# Altium PCB PCB_15122020_01BC.PcbDoc (part 3 of 9) (continued)
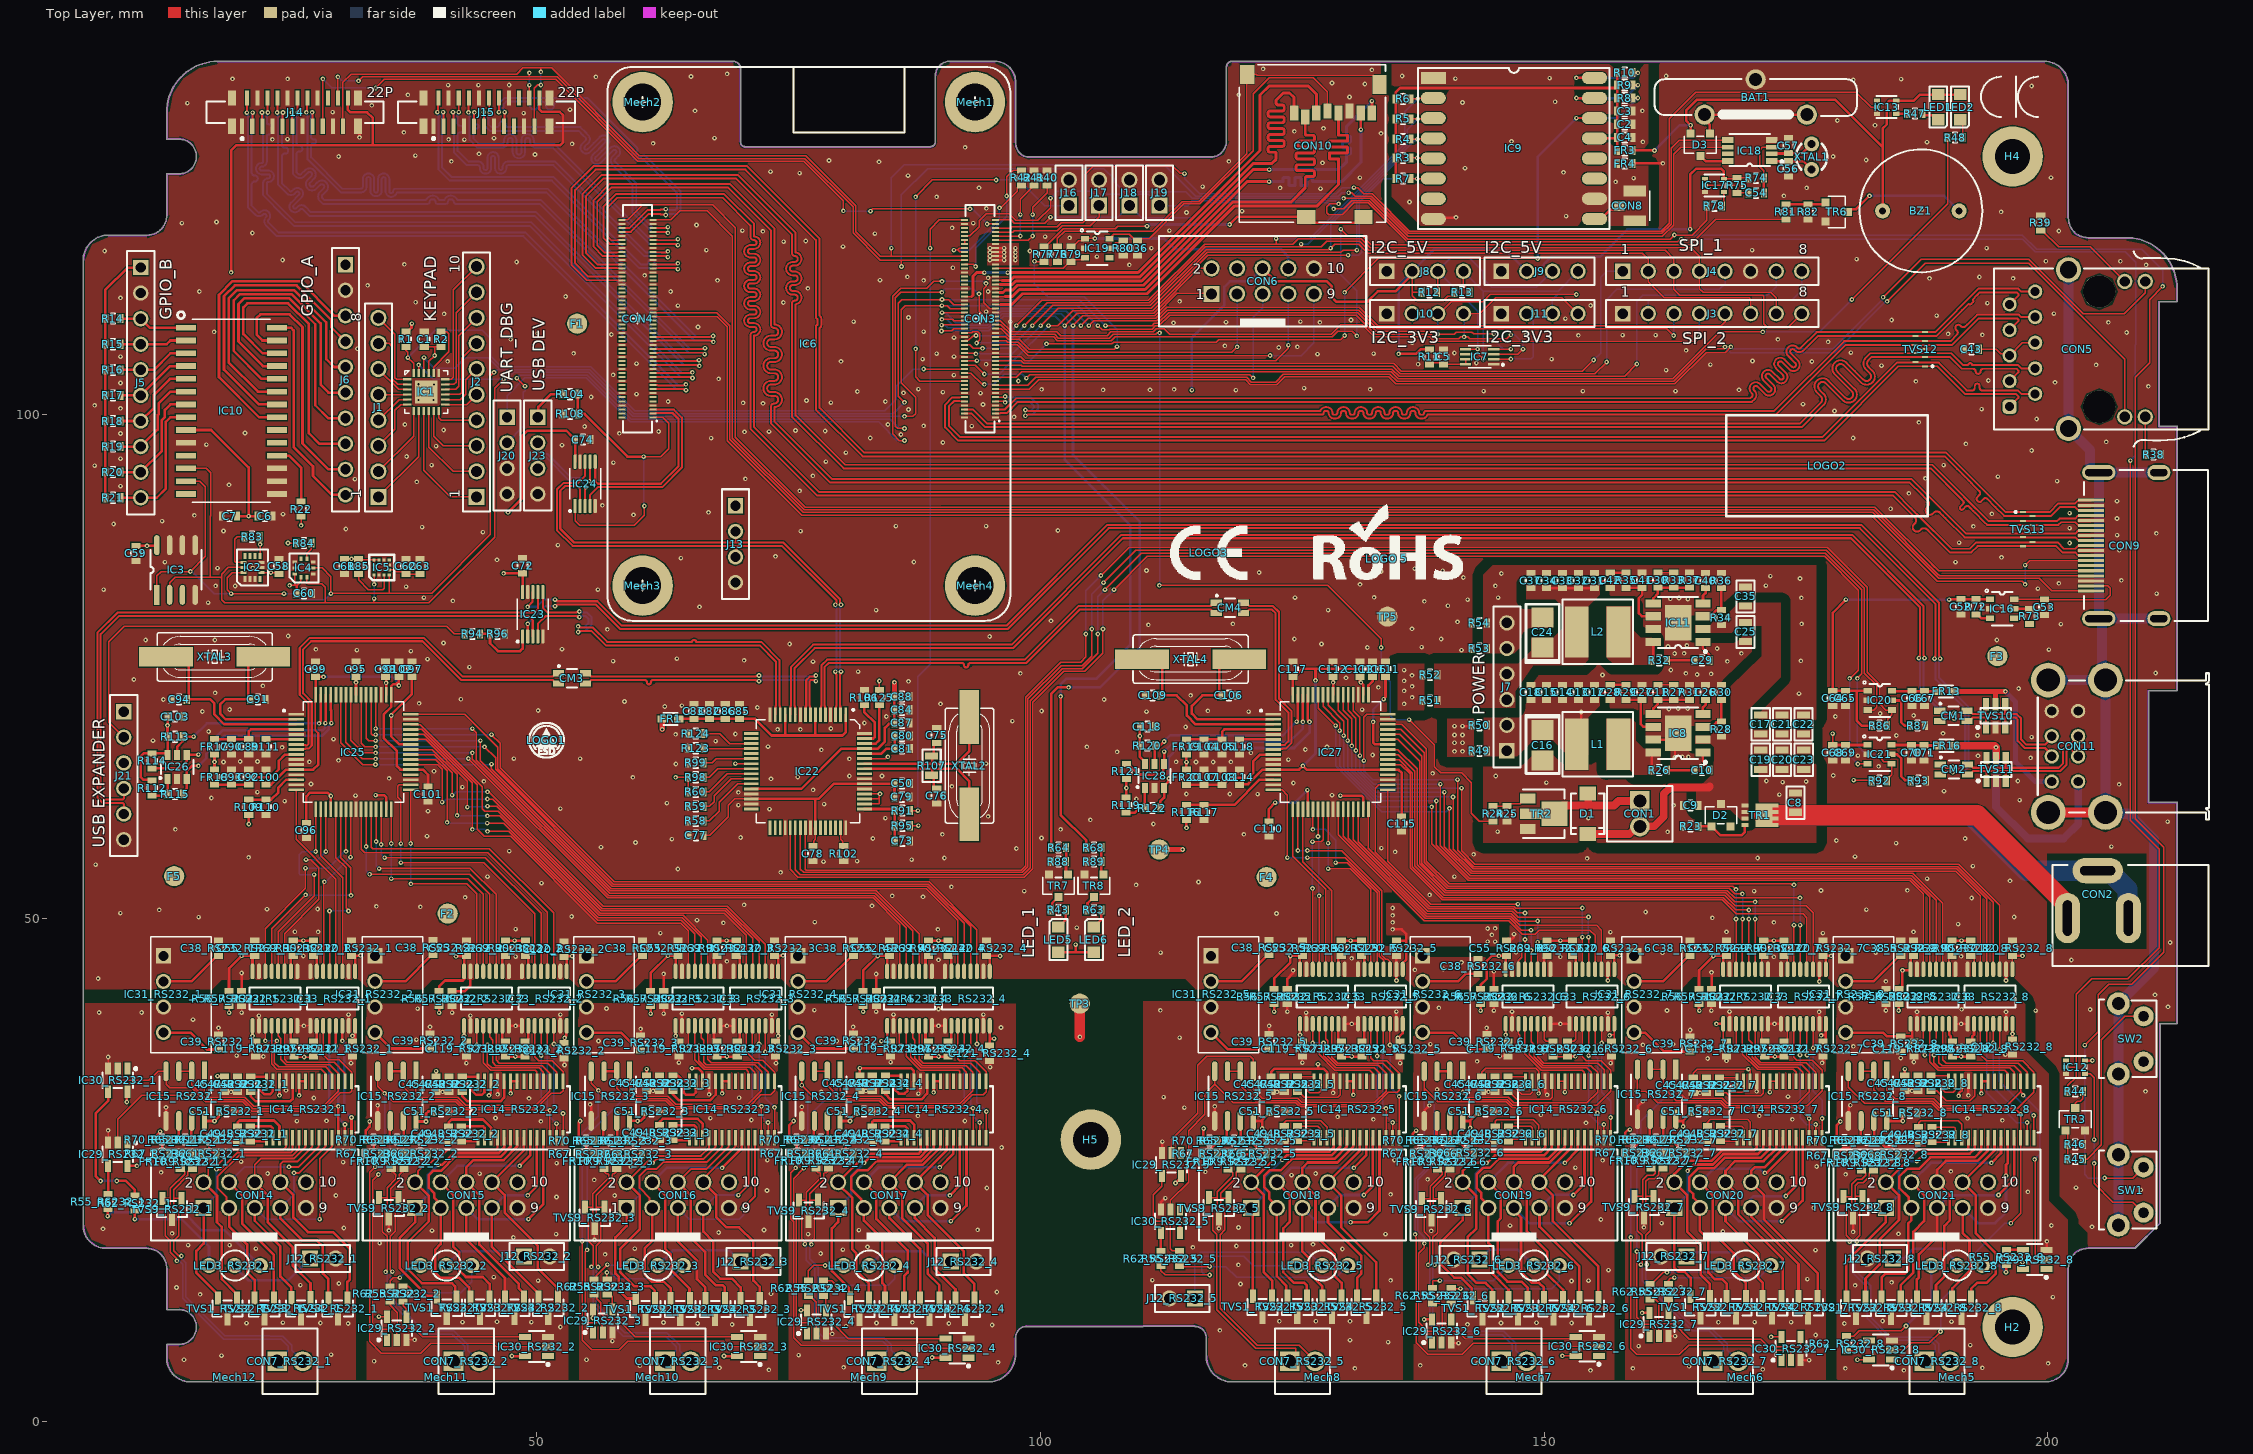
[diagram p0: Top Layer view]
## Nets (pads, with @x,y where several pads share a name; then routed paths per layer and width w, separated by ;. In a path a pad name is that pad's centre, name@x,y a point inside that pad or via, vN(x,y) a via of type N, cw(c..) or ccw(c..) an arc to the next point about the centre after c; other vN are vias at no path point) (continued)
  Top Layer w0.254: R21.2@7.175,91.72 R20.2@7.175,94.26 R19.2@7.175,96.8 R18.2@7.175,99.34 R17.2@7.175,101.88 R16.2@7.175,104.42 R15.2@7.175,106.96 R14.2@7.175,109.5 7.175,112.375 9.35,114.55 J5.1@10.625,114.55 ; C59.1@10.2,86.95 v1(11.3,86.95) 12.211,86.95 IC3.8@12.276,87.015 ; R112.2@11.8,63.65 11.744,63.706 10.969,63.706 10.7,63.975 10.7,66.075 10.969,66.344 11.794,66.344 R114.2@11.8,66.35 13.2,66.35 IC26.6@13.35,66.2 13.35,67.7 13.337,67.713 v1(13.337,69.126) 13.343,69.133 13.343,69.993 C103.2@13.35,70 ; IC10.9@15.16,98.445 17.677,98.445 21.396,94.726 v1(21.396,89.9) ; FR18.1@18,64.75 FR18.1@18,64.75 v1(18.001,65.51) FR17.1@18,66.25 FR17.1@18,66.25 ; R56_RS232_1.1@19.445,42.75 19.445,44.995 v1(20.7,46.25) C55_RS232_1.2@21.95,46.25 ; v1(19.653,114.1) 19.653,126.2 20.153,126.7 33.7,126.7 ; C7.1@20.25,89.9 v1(21.396,89.9) ; R109.1@21.4,60.25 21.419,60.231 v1(21.419,59.332) ; IC32_RS232_1.16@21.778,44.7 21.778,46.077 C55_RS232_1.2@21.95,46.25 ; C55_RS232_1.2@22,46.25 C55_RS232_1.2@21.95,46.25 ; C6.1@22.25,89.9 v1(21.396,89.9) ; R69_RS232_1.1@25.824,47.75 v1(26.817,47.75) R90_RS232_1.1@27.811,47.75 ; C60.1@26.156,82.225 26.156,82.989 ; C96.1@27.123,59.45 27.123,62.074 27.499,62.45 29.211,62.45 v1(29.55,62.111) IC25.20@29.55,60.8 ; J14.22@31.25,131.4 31.25,130.236 31.5,129.986 33.164,129.986 33.7,129.45 33.7,126.7 ; IC33_RS232_1.1@31.962,44.7 31.962,46.043 31.755,46.25 31.78,46.275 32.475,46.275 v1(32.5,46.3) ; IC25.56@32.037,72.16 32.05,72.173 v1@32.05,73.3 ; v1(32.05,73.4) C95.1@32.05,73.95 ; v1(34,62.2) 34.85,62.2 35.05,62 IC25.31@35.05,60.8 ; C98.1@35,73.95 35.05,73.9 v1@35.05,73.4 ; IC25.50@35.05,72.16 v1(35.05,73.343) ; R1.2@37,108.2 37.15,108.2 37.563,108.613 37.563,108.972 v1(37.602,109.011) ; IC25.42@37.48,67.23 36.36,67.23 35.55,68.04 v1(35.55,70.1) 35.55,70.205 37.6,72.255 C97.1@37.6,73.95 ; R56_RS232_2.1@40.3,42.75 40.3,43.2 40.9,43.8 42.629,43.8 42.777,43.949 IC32_RS232_2.16@42.777,44.7 42.777,46.077 C55_RS232_2.2@42.925,46.225 ; v1(41.973,46.2) 41.998,46.225 C55_RS232_2.2@42.925,46.225 ; C55_RS232_2.2@42.95,46.25 C55_RS232_2.2@42.925,46.225 ; v1(46.7,84.225) C72.1@48.6,84.225 IC23.10@48.6,82.35 ; R69_RS232_2.1@46.9,47.75 v1(47.8,47.75) R90_RS232_2.1@48.889,47.75 ; v1(47.136,90.269) 48.518,91.65 48.518,97.84 49.07,98.393 52.92,98.393 53.49,97.823 53.64,97.823 53.813,97.65 C74.1@53.813,97.5 53.806,97.494 53.806,95.306 IC24.10@53.8,95.3 ; J15.22@50.25,131.4 50.256,131.394 50.256,130.269 50.5,130.025 52.275,130.025 52.6,129.7 52.6,127 52.3,126.7 33.7,126.7 ; C120_RS232_2.2@52.7,46.15 52.737,46.187 53.462,46.187 v1(53.5,46.225) ; C120_RS232_2.2@52.726,46.15 52.79,46.15 52.963,45.977 IC33_RS232_2.1@52.963,44.7 ; R56_RS232_3.1@61.3,42.75 61.3,44.55 v1(63,46.25) 63.95,46.25 63.778,46.077 IC32_RS232_3.16@63.778,44.7 ; R69_RS232_3.1@67.9,47.75 v1(68.85,47.75) R90_RS232_3.1@69.8,47.75 ; IC22.28@71.299,62.821 76.249,62.821 80.249,66.821 IC22.61@82.526,66.821 83.85,66.821 84.55,67.521 84.55,68.875 84.95,69.275 85.412,69.275 C87.1@85.5,69.363 C84.1@85.5,70.675 C88.1@85.5,71.975 ; IC33_RS232_3.1@73.962,44.7 73.962,46.038 73.75,46.25 73.775,46.275 74.414,46.275 v1(74.439,46.3) ; R56_RS232_4.1@82.4,42.75 82.4,44.78 v1(83.845,46.225) 83.857,46.237 C55_RS232_4.2@84.938,46.237 ; IC22.59@82.513,65.834 IC22.59@82.526,65.821 ; IC32_RS232_4.16@84.778,44.7 84.778,46.077 C55_RS232_4.2@84.938,46.237 ; C55_RS232_4.2@85,46.25 84.988,46.237 C55_RS232_4.2@84.938,46.237 ; R69_RS232_4.1@88.9,47.75 v1(89.87,47.75) R90_RS232_4.1@90.8,47.75 ; C120_RS232_4.2@94.625,46.25 94.637,46.237 C120_RS232_4.2@94.787,46.237 ; IC33_RS232_4.1@94.962,44.7 94.948,44.715 94.948,46.077 C120_RS232_4.2@94.787,46.237 ; v1(96,46.225) 95.988,46.237 C120_RS232_4.2@94.787,46.237 ; LED5.1@101.783,46.6 103.541,46.6 ; v1(103.5,47.348) 103.5,46.641 103.541,46.6 ; LED6.1@105.223,46.523 LED6.1@105.3,46.6 103.541,46.6 ; R119.2@108.51,61.97 108.53,61.99 v1(108.53,62.91) 108.53,63.79 R121.2@108.52,63.8 ; C118.2@109.86,68.997 109.865,68.992 109.865,68.075 109.86,68.07 109.86,67.12 R120.2@109.85,67.11 109.85,66.02 110.37,65.5 IC28.6@110.37,65.3 ; R116.1@114.48,59.742 114.49,59.732 v1(114.49,58.95) ; FR20.1@114.48,64.733 114.49,64.743 v1(114.49,65.48) 114.49,66.221 FR19.1@114.48,66.231 ; C110.1@122.67,59.6 122.67,60.82 v1(123.3,61.45) ; R56_RS232_5.1@123.2,42.95 123.2,44.001 124.8,45.601 v1(124.8,46.225) 124.812,46.237 C55_RS232_5.2@125.918,46.237 ; IC32_RS232_5.16@125.757,44.9 125.757,46.077 C55_RS232_5.2@125.918,46.237 ; C55_RS232_5.2@126,46.25 125.988,46.237 C55_RS232_5.2@125.918,46.237 ; v1(126.5,62.7) 126.5,62.66 126.55,62.61 IC27.20@126.55,60.8 ; IC27.56@129.05,72.16 v1(129.05,73.4) C112.1@129.05,73.95 ; v1(129.76,62.15) 131.85,62.15 132.05,61.95 IC27.31@132.05,60.8 ; R69_RS232_5.1@129.859,47.75 v1(130.8,47.75) R90_RS232_5.1@131.85,47.75 ; v1@131.7,73.505 C113.1@131.7,73.95 ; v1(131.803,73.403) 132.037,73.168 132.037,72.173 IC27.50@132.05,72.16 ; v1(133.025,69.475) 133.025,67.425 133.22,67.23 IC27.42@134.48,67.23 ; v1(134.075,71.725) 134.075,71.765 134.25,71.94 C111.1@134.25,73.95 ; v1(134.955,48.872) 135.858,48.872 136.29,48.44 136.29,47.752 ; C120_RS232_5.2@135.327,47.749 136.287,47.749 136.29,47.752 ; IC33_RS232_5.1@135.949,44.913 IC33_RS232_5.1@135.962,44.9 135.962,45.515 136.29,45.842 136.29,47.752 ; R56_RS232_6.1@143.7,42.95 143.7,43.353 144.3,43.953 144.3,45.75 144.8,46.25 145.425,46.25 145.462,46.212 v1(145.5,46.25) C55_RS232_6.2@146.35,46.25 ; IC32_RS232_6.16@146.178,44.9 146.178,46.077 C55_RS232_6.2@146.35,46.25 ; C55_RS232_6.2@146.4,46.25 C55_RS232_6.2@146.35,46.25 ; R69_RS232_6.1@150.3,47.75 v1(151.6,47.75) R90_RS232_6.1@152.8,47.75 ; IC33_RS232_6.1@156.963,44.9 156.944,44.918 156.944,46.056 156.75,46.25 156.8,46.3 v1(157.5,46.3) ; FR3.2@158.75,126.2 v1(160.954,126.2) ; D3.2@164.55,127.867 v1(164.55,128.7) 164.097,129.153 164.097,130.16 165.181,131.244 178.879,131.244 183.6,126.523 ; R56_RS232_7.1@165.375,42.95 165.375,44.8 v1(166.8,46.225) 166.812,46.237 C55_RS232_7.2@167.938,46.237 ; IC32_RS232_7.16@167.778,44.9 167.778,46.077 C55_RS232_7.2@167.938,46.237 ; C55_RS232_7.2@168.1,46.25 168.087,46.237 C55_RS232_7.2@167.938,46.237 ; R69_RS232_7.1@171.8,47.75 v1(172.8,47.75) R90_RS232_7.1@173.8,47.75 ; C120_RS232_7.2@177.7,46.25 C120_RS232_7.2@177.789,46.25 ; IC33_RS232_7.1@177.962,44.9 177.962,46.077 C120_RS232_7.2@177.789,46.25 ; v1(178.5,46.25) C120_RS232_7.2@177.789,46.25 ; BZ1.1@183.6,120.2 183.6,126.523 ; R56_RS232_8.1@185.227,42.969 185.377,42.969 185.55,43.142 185.55,44.775 v1(185.575,44.8) 186.31,44.8 186.378,44.867 IC32_RS232_8.16@186.378,44.9 186.378,46.077 186.551,46.25 C55_RS232_8.2@186.678,46.25 ; R69_RS232_8.1@190.5,47.75 v1(191.425,47.75) R90_RS232_8.1@192.35,47.75 ; LED2.1@191.3,131.75 189.05,131.75 187.3,131.75 186.7,131.15 IC13.5@184.954,131.15 184.3,131.15 184.029,130.879 184.029,128.8 183.6,128.371 183.6,126.523 ; C120_RS232_8.2@196.488,46.25 v1(197.485,46.25) ; IC12.5@203.7,35.85 v1(204.422,35.85)
  Top Layer w0.5: v1(62.452,68.73) 62.452,69.764 FR1.2@62.459,69.771 ; C88.1@85.5,71.975 v1(85.5,73.403) ; TP4.1@111.8,56.8 v1(114.115,56.8)
  Bottom Layer w0.127: v1(146.7,105.5) 148.7,105.5 148.9,105.7 148.9,109.276 148.28,109.896 J11.2@148.28,110 ; J3.2@160.34,110 160.34,111.2 160.54,111.4 174.64,111.4 175.58,112.34 J4.8@175.58,114.2
  Bottom Layer w0.254: v1(105.4,117.458) 112.283,117.458 113.341,116.4 123.868,116.4 124.587,115.681 124.587,114.513 CON6.8@124.6,114.5 ; v1(123.3,61.45) 125.25,61.45 v1(126.5,62.7) ; v1(133.025,69.475) 133.025,70.675 v1(134.075,71.725) ; v1(160.954,126.2) 163.454,128.7 v1(164.55,128.7)
  other v1: 144.4,47.65 145.143,47.65 144.8,48.33 144.4,48.956 145.143,48.968 134.955,49.574 134.955,50.268 134.955,51 109.87,68.07 136.1,71.271 136.905,71.909 136.1,72.55 136.905,73 136.1,73.55 136.878,74.1 136.1,74.603
+5V: C38_RS232_1.1 C38_RS232_2.1 C38_RS232_3.1 C38_RS232_4.1 C38_RS232_5.1 C38_RS232_6.1 C38_RS232_7.1 C38_RS232_8.1 C52.1 C64.1 C65.1 C68.1 C69.1 CON3.77 CON3.79 CON3.81 CON3.83 CON3.85 CON3.87 CON6.6 IC16.1 IC17.5 IC20.1 IC21.1 IC31_RS232_1.2 IC31_RS232_2.2 IC31_RS232_3.2 IC31_RS232_4.2 IC31_RS232_5.2 IC31_RS232_6.2 IC31_RS232_7.2 IC31_RS232_8.2 J8.2 J9.2 J21.3 R11.2 R12.1 R13.1 R49.2 R50.2 R72.2 R74.2 R75.2 R86.2 R92.2 TP3.1 | length 196.4
  Top Layer w0.127: J8.2@136.905,114.2 136.905,113.895 136.905,112.1 ; R12.1@137.85,112.12 136.925,112.12 136.905,112.1 ; R13.1@141.1,112.12 141.1,111.97 140.863,111.734 140.434,111.734 140,111.3 137.4,111.3 136.905,111.795 136.905,112.1 ; IC17.5@167.85,123.375 169.053,123.375 R75.2@169.153,123.475 R74.2@170.302,123.475 ; C68.1@178.649,67.152 v1(178.649,68.3) ; v1(180.728,63.689) 182.465,63.689 R92.2@182.529,63.625
  Top Layer w0.254: IC31_RS232_1.2@12.933,43.71 15.71,43.71 18.25,46.25 C38_RS232_1.1@18.4,46.25 ; IC31_RS232_2.2@33.934,43.71 36.948,43.71 39.55,46.312 C38_RS232_2.1@39.7,46.312 ; IC31_RS232_3.2@54.933,43.71 57.81,43.71 60.35,46.25 C38_RS232_3.1@60.5,46.25 ; IC31_RS232_4.2@75.934,43.71 78.727,43.71 81.267,46.25 C38_RS232_4.1@81.417,46.25 ; CON3.79@95.54,115.3 v1(96.389,115.3) ; CON3.81@95.54,115.7 v1(96.4,115.7) ; CON3.83@95.54,116.1 95.552,116.088 96.389,116.088 v1(96.4,116.077) ; CON3.85@95.54,116.5 v1(96.4,116.5) ; IC31_RS232_5.2@116.933,43.71 119.948,43.71 122.55,46.312 C38_RS232_5.1@122.7,46.312 ; CON6.6@122.06,114.5 123.36,113.2 128.425,113.2 128.925,112.7 128.925,111.625 129.35,111.2 132.465,111.2 133.48,112.215 135.225,112.215 J8.2@136.905,113.895 ; v1(135.55,106) 137.293,106 137.743,106.45 R11.2@138.6,106.45 ; IC31_RS232_6.2@137.934,43.71 141.455,43.71 142.195,44.45 C38_RS232_6.1@143.418,44.45 ; v1(141.9,69.05) 142.666,69.05 142.791,69.175 R50.2@142.825,69.141 ; IC31_RS232_7.2@158.933,43.71 161.81,43.71 164.35,46.25 C38_RS232_7.1@164.5,46.25 ; v1(164.5,118.377) 164.5,123.8 165.1,124.4 167.563,124.4 167.85,124.113 IC17.5@167.85,123.375 ; C68.1@178.649,67.152 178.673,67.176 182.075,67.176 IC21.1@182.099,67.2 ; IC31_RS232_8.2@179.934,43.71 182.71,43.71 185.25,46.25 C38_RS232_8.1@185.4,46.25 ; v1(179.95,81.6) 178.649,80.299 C64.1@178.649,72.553 C65.1@179.899,72.553 179.9,72.551 181.011,72.551 ; IC20.1@182.124,72.55 182.122,72.551 181.011,72.551 ; R86.2@182.55,69.101 181.524,69.101 181.011,69.614 181.011,72.551 ; v1(190.2,81.6) 190.225,81.625 191.34,81.625 C52.1@191.365,81.65 IC16.1@194.265,81.65
  Top Layer w1: v1(103.9,38.2) TP3.1@103.9,41.5
  Bottom Layer w0.254: v1(115.025,102.4) 115.025,107.625 118.25,110.85 118.25,112.65 118.8,113.2 120.76,113.2 CON6.6@122.06,114.5 ; v1(135.55,106) 135.55,112.845 J8.2@136.905,114.2 139.105,116.4 146.08,116.4 J9.2@148.28,114.2 149.275,114.2 150.7,115.625 155.525,115.625 158.277,118.377 v1(164.5,118.377) ; v1(179.95,81.6) v1(190.2,81.6)
  other v1: 141.1,66.55 141.9,66.55 141.1,67.4 141.9,67.4 141.1,68.175 141.9,68.175 141.1,69.05 94.971,115.3 97.5,115.3 94.983,115.7 97.511,115.7 94.983,116.077 97.511,116.077 94.983,116.5 97.511,116.5
AnalogIP0: CON3.96
AnalogIP1: CON3.94
BT_nDisable: CON3.91 R41.2 | length 8.1
  Top Layer w0.127: CON3.91@95.54,117.7 v1(98,117.7) ; v1(98,119.825) 98,121.35 R41.2@99.375,122.725
  Bottom Layer w0.127: v1(98,117.7) v1(98,119.825)
BUZZER: CON3.45 R81.2 | length 94
  Top Layer w0.127: CON3.45@95.54,108.5 96.107,108.5 96.92,107.687 101.295,107.687 101.681,107.3 107.031,107.3 107.416,107.684 128.952,107.684 129.506,108.239 130.961,108.239 v1(131.4,107.8) ; v1(129.812,118.377) 130.463,117.726 131.944,117.726 132.84,116.831 164.494,116.831 167.013,119.35 R81.2@174,119.35
  Bottom Layer w0.127: v1(129.812,118.377) 129.812,113.843 131.4,112.256 v1(131.4,107.8)
CAM0_C_N: CON4.40
CAM0_C_P: CON4.42
CAM0_D0_N: CON4.28
CAM0_D0_P: CON4.30
CAM0_D1_N: CON4.34
CAM0_D1_P: CON4.36
CAM1_C_N: CON4.27 J14.8 | length 65.3
  Top Layer w0.192: v1(24.223,129.962) 24.237,129.975 24.237,131.386 J14.8@24.25,131.4 ; CON4.27@61.54,104.9 61.544,104.904 62.001,104.904 62.012,104.915 65.87,104.915 65.921,104.865 66.06,104.865 66.115,104.81 v1(66.14,104.81)
  Bottom Layer w0.192: v1(24.223,129.962) 24.272,129.912 24.272,129.764 24.327,129.71 24.327,125.416 24.327,125.1 24.327,122.801 25.189,121.939 ccw(c25.586,122.336) 25.983,121.939 26.101,122.057 cw(c26.237,121.922) 26.429,121.922 cw(c26.237,121.922) 26.373,121.786 25.603,121.016 ; 25.602,121.016 ccw(c25.999,120.619) 26.396,120.222 26.515,120.341 cw(c26.651,120.205) 26.786,120.341 27.427,119.7 49.777,119.7 64.562,104.915 65.87,104.915 65.921,104.865 66.06,104.865 66.115,104.81 v1(66.14,104.81)
CAM1_C_P: CON4.29 J14.9 | length 65.3
  Top Layer w0.192: J14.9@24.75,128.6 24.775,128.625 24.775,129.937 v1(24.8,129.962) ; CON4.29@61.54,105.3 61.544,105.296 62.001,105.296 62.012,105.285 65.87,105.285 65.921,105.335 66.06,105.335 v1(66.1,105.375)
  Bottom Layer w0.192: v1(24.8,129.962) 24.751,129.912 24.751,129.764 24.696,129.71 24.696,126.89 24.696,126.85 24.696,126.746 ccw(c24.963,126.746) 24.963,126.479 25.047,126.479 cw(c25.047,126.213) 25.313,126.213 25.313,126.154 cw(c25.047,126.154) 25.047,125.888 24.963,125.888 ccw(c24.963,125.621) 24.696,125.621 24.696,125.296 24.696,125 24.696,124.528 24.696,122.954 25.45,122.2 ; 25.45,122.2 ccw(c25.586,122.336) 25.721,122.2 ; 25.721,122.2 25.84,122.319 ; 25.84,122.319 cw(c26.237,121.922) 26.798,121.922 cw(c26.237,121.922) 26.634,121.525 25.864,120.755 ccw(c25.999,120.619) 26.134,120.483 ; 26.135,120.483 26.254,120.602 cw(c26.651,120.205) 27.048,120.602 27.58,120.07 49.93,120.07 64.715,105.285 65.87,105.285 65.921,105.335 66.06,105.335 v1(66.1,105.375)
CAM1_D0_N: CON4.15 J14.2 | length 66.1
  Top Layer w0.192: v1(21.219,129.948) 21.235,129.963 21.235,131.385 J14.2@21.25,131.4 ; CON4.15@61.54,102.5 61.544,102.504 62.001,102.504 62.012,102.515 64.57,102.515 64.621,102.465 64.76,102.465 64.81,102.415 v1(64.81,102.41)
  Bottom Layer w0.192: v1(21.219,129.948) 21.268,129.899 21.268,129.751 21.323,129.696 21.323,122.822 21.323,122.526 21.323,122.23 21.323,120.555 22.039,119.839 ccw(c22.436,120.236) 22.833,119.839 cw(c22.968,119.703) 23.16,119.703 cw(c22.968,119.703) 23.104,119.567 ccw(c23.501,119.171) 23.104,118.774 24.177,117.7 48.677,117.7 63.862,102.515 64.57,102.515 64.621,102.465 64.76,102.465 64.81,102.415 v1(64.81,102.41)
CAM1_D0_P: CON4.17 J14.3 | length 66.1
  Top Layer w0.192: J14.3@21.75,128.6 21.773,128.623 21.773,129.925 v1(21.796,129.948) ; CON4.17@61.54,102.9 61.544,102.896 62.001,102.896 62.012,102.885 64.57,102.885 64.621,102.935 64.76,102.935 v1(64.8,102.975)
  Bottom Layer w0.192: v1(21.796,129.948) 21.747,129.899 21.747,129.751 21.692,129.696 21.692,124.528 21.692,124.005 ccw(c21.988,124.005) 21.988,123.709 22.007,123.709 cw(c22.007,123.413) 22.303,123.413 cw(c22.007,123.413) 22.007,123.118 21.988,123.118 ccw(c21.988,122.822) 21.692,122.822 21.692,122.526 21.692,122.23 21.692,120.708 22.3,120.1 ccw(c22.436,120.236) 22.571,120.1 cw(c22.968,119.703) 23.529,119.703 cw(c22.968,119.703) 23.365,119.306 ccw(c23.501,119.171) 23.365,119.035 ; 23.365,119.035 24.33,118.07 48.83,118.07 64.015,102.885 64.57,102.885 64.621,102.935 64.76,102.935 v1(64.8,102.975)
CAM1_D1_N: CON4.21 J14.5 | length 65.8
  Top Layer w0.192: v1(22.723,129.961) 22.737,129.948 22.737,128.614 J14.5@22.75,128.6 ; CON4.21@61.54,103.7 61.544,103.704 62.001,103.704 62.012,103.715 65.217,103.715 65.267,103.665 65.407,103.665 v1(65.46,103.61) v1(65.46,103.61)
  Bottom Layer w0.192: v1@22.718,129.818 22.718,129.807 22.827,129.698 22.827,125.1 cw(c22.684,125.1) 22.684,124.957 ccw(c22.684,124.392) 22.684,123.826 23.339,123.826 cw(c23.339,123.631) 23.535,123.631 cw(c23.339,123.631) 23.339,123.435 ccw(c23.339,122.923) 22.827,122.923 22.827,121.751 23.269,121.308 24.454,120.123 25.877,118.7 49.277,118.7 51.497,116.481 52.138,115.84 64.262,103.715 65.217,103.715 65.267,103.665 65.407,103.665 v1(65.46,103.61) v1(65.46,103.61) ; v1(22.723,129.961) 22.772,129.912 22.772,129.764 22.827,129.71
CAM1_D1_P: CON4.23 J14.6 | length 65.7
  Top Layer w0.192: J14.6@23.25,131.4 23.275,131.375 23.275,129.986 v1(23.3,129.961) ; CON4.23@61.54,104.1 61.544,104.096 62.001,104.096 62.012,104.085 65.217,104.085 65.267,104.135 65.407,104.135 v1(65.446,104.175)
  Bottom Layer w0.192: v1(23.3,129.961) 23.251,129.912 23.251,129.764 23.196,129.71 23.196,129 23.196,128.829 cw(c23.196,128.297) 23.729,128.297 23.729,128.27 cw(c23.196,128.27) 23.196,127.738 23.196,126.646 23.196,126.1 23.196,125.1 cw(c22.684,125.1) 22.684,124.588 ccw(c22.684,124.392) 22.684,124.196 23.339,124.196 cw(c23.339,123.631) 23.904,123.631 cw(c23.339,123.631) 23.339,123.065 ccw(c23.339,122.923) 23.196,122.923 23.196,121.904 23.639,121.461 24.715,120.385 26.03,119.07 49.43,119.07 51.758,116.742 52.507,115.993 64.415,104.085 65.217,104.085 65.267,104.135 65.407,104.135 v1(65.446,104.175)
CAM1_D2_N: CON4.33 J14.11 | length 66.2
  Top Layer w0.192: v1(25.673,129.961) 25.712,129.923 25.712,128.639 J14.11@25.75,128.6 ; CON4.33@61.54,106.1 61.544,106.104 62.001,106.104 62.012,106.115 66.47,106.115 66.521,106.065 v1@66.66,106.065 ; v1(66.66,105.975) v1@66.66,106.065
  Bottom Layer w0.192: v1(25.673,129.961) 25.722,129.912 25.722,129.764 25.777,129.71 25.777,123.876 26.029,123.623 ccw(c26.464,124.058) 26.9,123.623 27.266,123.99 cw(c27.44,123.816) 27.614,123.99 ; 27.614,123.99 cw(c27.44,123.816) 27.686,123.816 cw(c27.44,123.816) 27.614,123.642 27.247,123.275 ccw(c27.683,122.84) 27.247,122.405 ccw(c27.683,122.84) 28.118,122.405 28.485,122.772 cw(c28.658,122.598) 28.832,122.772 ; 28.832,122.772 cw(c28.658,122.598) 28.904,122.598 cw(c28.658,122.598) 28.832,122.424 28.466,122.057 ccw(c28.901,121.622) 28.465,121.187 28.752,120.9 32.4,120.9 39.181,120.9 ccw(c39.181,121.085) 39.365,121.085 cw(c39.623,121.085) 39.623,121.342 39.7,121.342 cw(c39.7,121.085) 39.957,121.085 ccw(c40.142,121.085) 40.142,120.9 40.982,120.9 ccw(c40.982,121.085) 41.167,121.085 cw(c41.424,121.085) 41.424,121.342 41.501,121.342 cw(c41.501,121.085) 41.758,121.085 ccw(c41.943,121.085) 41.943,120.9 50.277,120.9 65.062,106.115 66.47,106.115 66.521,106.065 v1@66.66,106.065 ; v1(66.66,105.975) v1@66.66,106.065
CAM1_D2_P: CON4.35 J14.12 | length 66
  Top Layer w0.192: v1(26.25,129.961) J14.12@26.25,131.4 ; CON4.35@61.54,106.5 61.544,106.496 62.001,106.496 62.012,106.485 66.47,106.485 66.521,106.535 66.66,106.535 v1(66.7,106.575)
  Bottom Layer w0.192: v1@26.201,129.818 26.201,129.912 v1(26.25,129.961) ; v1@26.255,129.818 26.255,129.743 26.146,129.635 26.146,128.8 26.146,127.36 26.146,127.271 26.146,126.946 ccw(c26.413,126.946) 26.413,126.679 26.457,126.679 cw(c26.457,126.413) 26.723,126.413 26.723,126.354 cw(c26.457,126.354) 26.457,126.088 26.413,126.088 ccw(c26.413,125.821) 26.146,125.821 26.146,125.496 26.146,125.2 26.146,124.029 26.291,123.884 ccw(c26.464,124.058) 26.638,123.884 27.005,124.251 cw(c27.44,123.816) 28.056,123.816 cw(c27.44,123.816) 27.876,123.381 27.509,123.014 ccw(c27.683,122.84) 27.509,122.666 ccw(c27.683,122.84) 27.856,122.666 28.223,123.033 cw(c28.658,122.598) 29.274,122.598 cw(c28.658,122.598) 29.094,122.163 28.727,121.796 ccw(c28.901,121.622) 28.727,121.448 28.905,121.27 32.4,121.27 39.024,121.27 cw(c39.623,121.085) 39.623,121.712 39.7,121.712 cw(c39.7,121.085) 40.299,121.27 40.825,121.27 cw(c41.424,121.085) 41.424,121.712 41.501,121.712 cw(c41.501,121.085) 42.1,121.27 50.43,121.27 65.215,106.485 66.47,106.485 66.521,106.535 66.66,106.535 v1(66.7,106.575)
CAM1_D3_N: CON4.39 J14.14 | length 66.2
  Top Layer w0.192: v1(27.123,129.986) 27.172,130.036 27.172,131.322 J14.14@27.25,131.4 ; CON4.39@61.54,107.3 61.544,107.304 62.001,107.304 62.02,107.324 67.209,107.324 67.247,107.285 67.448,107.285 67.53,107.203 v1(67.53,107.2)
  Bottom Layer w0.192: v1(27.123,129.986) 27.172,129.937 27.172,129.789 27.227,129.735 27.227,126.716 27.227,125.351 30.547,122.03 32.534,122.03 ccw(c32.534,122.592) 33.096,122.592 33.096,123.353 cw(c33.288,123.353) 33.479,123.353 33.479,122.215 ccw(c34.041,122.215) 34.602,122.215 34.602,123.353 cw(c34.794,123.353) 34.986,123.353 34.986,122.15 ccw(c35.547,122.15) 36.095,122.03 37.245,122.03 50.947,122.03 65.654,107.324 67.27,107.324 67.321,107.273 67.46,107.273 67.53,107.203 v1(67.53,107.2)
CAM1_D3_P: CON4.41 J14.15 | length 66.1
  Top Layer w0.192: v1(27.7,129.986) 27.725,129.961 27.725,128.625 J14.15@27.75,128.6 ; CON4.41@61.54,107.7 61.544,107.696 62.001,107.696 62.004,107.693 67.209,107.693 67.259,107.743 67.46,107.743 v1(67.5,107.783)
  Bottom Layer w0.192: v1(27.7,129.986) 27.651,129.937 27.651,129.789 27.596,129.735 27.596,127.5 ccw(c27.792,127.5) 27.792,127.304 27.899,127.304 cw(c27.899,127.108) 28.094,127.108 cw(c27.899,127.108) 27.899,126.912 27.792,126.912 ccw(c27.792,126.716) 27.596,126.716 27.596,125.504 30.7,122.4 32.534,122.4 ccw(c32.534,122.592) 32.726,122.592 32.726,123.353 cw(c33.288,123.353) 33.849,123.353 33.849,122.215 ccw(c34.041,122.215) 34.232,122.215 34.232,123.353 cw(c34.794,123.353) 35.355,123.353 35.355,122.15 ccw(c35.547,122.15) 35.739,122.15 cw(c35.989,122.15) 35.989,122.4 37.092,122.4 51.1,122.4 65.807,107.693 67.27,107.693 67.321,107.743 67.46,107.743 v1(67.5,107.783)
Camera_GPIO: CON3.97 J14.17 | length 78.9
  Top Layer w0.127: J14.17@28.75,128.6 v1@28.75,133.3 ; v1(34.015,132.4) 34.863,133.248 51.9,133.248 60.004,125.144 76.489,125.144 80.425,121.208 v1(80.425,120.2) ; v1(83.125,120.175) 83.35,120.4 v1(93,120.4) ; v1(94.704,118.9) CON3.97@95.54,118.9
  Bottom Layer w0.127: v1(28.752,133.3) 29.652,132.4 v1(34.015,132.4) ; v1(80.425,120.2) 80.45,120.175 v1(83.125,120.175) ; v1(93,120.4) 93.204,120.4 v1(94.704,118.9)
CHASSIS: CON5.Shell CON9.20 CON11.Shell SW1.3 SW2.3 | length 125.1
  Top Layer w1: CON11.Shell@200.04,60.48 CON11.Shell@205.72,60.48
  Bottom Layer w1: CON11.Shell@200.04,73.62 CON11.Shell@205.72,73.62 ; CON5.Shell@202.456,114.35 CON5.Shell@202.05,114.35 CON5.Shell@202.05,98.6 204.175,96.475 204.175,94.456 204.406,94.225 CON9.20@205.06,94.225 ; SW1.3@207,19.5 SW1.3@207,26.5 SW2.3@207,34.5 SW2.3@207,41.5 210.525,45.025 210.525,57.855 208.025,60.355 205.845,60.355 CON11.Shell@205.72,60.48 CON11.Shell@205.72,73.62 ; CON9.20@211.02,79.725 CON9.20@205.159,79.725 ; CON9.20@211.02,94.225 CON9.20@205.06,94.225 ; CON9.20@205.06,94.225 CON9.20@205.06,79.725 CON9.20@205.159,79.725 ; CON9.20@205.159,79.725 205.39,79.494 205.39,73.95 CON11.Shell@205.72,73.62
CM4_+1V8: CON3.88 CON3.90 | length 0.4
  Top Layer w0.127: CON3.88@92.46,116.9 CON3.90@92.46,117.3
CM4_+3V3: CON3.84 CON3.86 R42.1 | length 12.2
  Top Layer w0.127: v1(91.404,116.3) 91.456,116.352 91.772,116.352 ; CON3.84@92.46,116.1 92.424,116.136 91.987,116.136 91.772,116.352 ; CON3.86@92.46,116.5 91.919,116.5 91.772,116.352 ; v1(95.925,120.5) 95.977,120.552 96.112,120.552 97.714,122.154 97.714,122.489 97.95,122.725 R42.1@98.1,122.725
  Bottom Layer w0.127: v1(91.404,116.3) 92.908,116.3 95.925,119.317 v1(95.925,120.5)
COL_0: IC1.9 J2.1 | length 12.2
  Top Layer w0.127: IC1.9@38.775,100.335 38.775,94.45 41.425,91.8 J2.1@44.025,91.8
COL_1: IC1.10 J2.2 | length 9.3
  Top Layer w0.127: IC1.10@39.275,100.335 39.275,96.75 41.685,94.34 J2.2@44.025,94.34
COL_2: IC1.11 J2.3 | length 7.2
  Top Layer w0.127: IC1.11@39.775,100.335 39.775,97.825 40.72,96.88 J2.3@44.025,96.88
  Top Layer w0.254: J2.3@44.025,96.88 44.045,96.88 J2.3@44.05,96.875
COL_3: IC1.12 J2.4 | length 4.6
  Top Layer w0.127: IC1.12@40.275,100.335 40.275,99.65 40.505,99.42 J2.4@44.025,99.42
  Top Layer w0.254: J2.4@44.025,99.42 44.03,99.42 J2.4@44.05,99.4
COL_4: IC1.13 J2.5 | length 3.5
  Top Layer w0.127: IC1.13@40.915,100.975 43.04,100.975 J2.5@43.99,101.925
  Top Layer w0.254: J2.5@43.99,101.925 J2.5@44,101.925
COL_5: IC1.14 J2.6 | length 5.2
  Top Layer w0.127: IC1.14@40.915,101.475 42.419,101.475 42.948,102.004 42.948,103.423 J2.6@44.025,104.5
COL_6: IC1.15 J2.7 | length 7.2
  Top Layer w0.127: IC1.15@40.915,101.975 42.359,101.975 42.544,102.16 42.544,105.559 J2.7@44.025,107.04
COL_7: IC1.16 J2.8 | length 9
  Top Layer w0.127: IC1.16@40.915,102.475 41.942,102.475 42.267,102.8 42.267,107.822 J2.8@44.025,109.58
COL_8: IC1.17 J2.9 | length 10.9
  Top Layer w0.127: IC1.17@40.915,102.975 41.765,102.975 41.99,103.2 41.99,110.085 J2.9@44.025,112.12
COL_9: IC1.18 J2.10 | length 12.8
  Top Layer w0.127: IC1.18@40.915,103.475 41.523,103.475 41.713,103.665 41.713,112.348 J2.10@44.025,114.66
DSI0_C_N: CON4.69
DSI0_C_P: CON4.71
DSI0_D0_N: CON4.57
DSI0_D0_P: CON4.59
DSI0_D1_N: CON4.63
DSI0_D1_P: CON4.65
DSI1_C_N: CON4.87 J15.8 | length 36
  Top Layer w0.192: v1(43.223,129.986) 43.237,130 43.237,131.386 J15.8@43.25,131.4 ; CON4.87@61.54,116.9 61.544,116.904 62.001,116.904 62.012,116.915 v1@63.815,116.915
  Bottom Layer w0.192: v1(43.223,129.986) 43.272,129.937 43.272,129.789 43.327,129.735 43.327,127.251 44.102,126.475 46.5,126.475 ccw(c46.5,127.091) 47.115,127.091 47.115,127.204 cw(c47.361,127.204) 47.607,127.204 47.607,126.037 ccw(c48.223,126.037) 48.838,126.037 48.838,127.204 cw(c49.084,127.204) 49.33,127.204 49.33,127.091 ccw(c49.945,127.091) 49.945,126.475 51.598,126.475 61.158,116.915 63.815,116.915 63.93,116.8 v1(64,116.8)
DSI1_C_P: CON4.89 J15.9 | length 36.1
  Top Layer w0.192: J15.9@43.75,128.6 43.775,128.625 43.775,129.961 v1(43.8,129.986) ; CON4.89@61.54,117.3 61.544,117.296 62.001,117.296 62.012,117.285 v1@63.815,117.285
  Bottom Layer w0.192: v1(43.8,129.986) 43.751,129.937 43.751,129.789 43.696,129.735 43.696,129.1 43.696,128.975 ccw(c43.892,128.975) 43.892,128.779 44.031,128.779 cw(c44.031,128.584) 44.226,128.584 cw(c44.031,128.584) 44.031,128.388 43.892,128.388 ccw(c43.892,128.192) 43.696,128.192 43.696,127.996 43.696,127.8 43.696,127.404 44.255,126.845 46.5,126.845 ccw(c46.5,127.091) 46.746,127.091 46.746,127.204 cw(c47.361,127.204) 47.977,127.204 47.977,126.037 ccw(c48.223,126.037) 48.469,126.037 48.469,127.204 cw(c49.084,127.204) 49.699,127.204 49.699,127.091 ccw(c49.945,127.091) 49.945,126.845 51.751,126.845 60.996,117.6 61.284,117.312 61.311,117.285 63.815,117.285 63.93,117.4 v1(64,117.4)